# Altium PCB AMS_Remote_Module_A1.PcbDoc (part 2 of 3)
Units mm, origin at the board's own origin, x right, y up, seen from the top; angles counter-clockwise.
Board outline 140 x 118 mm, 4 copper layers (Top Layer, Layer 1, Layer 2, Bottom Layer), stack 0.603 mm thick; 282 components, 222 nets, 873 pads, 680 vias.
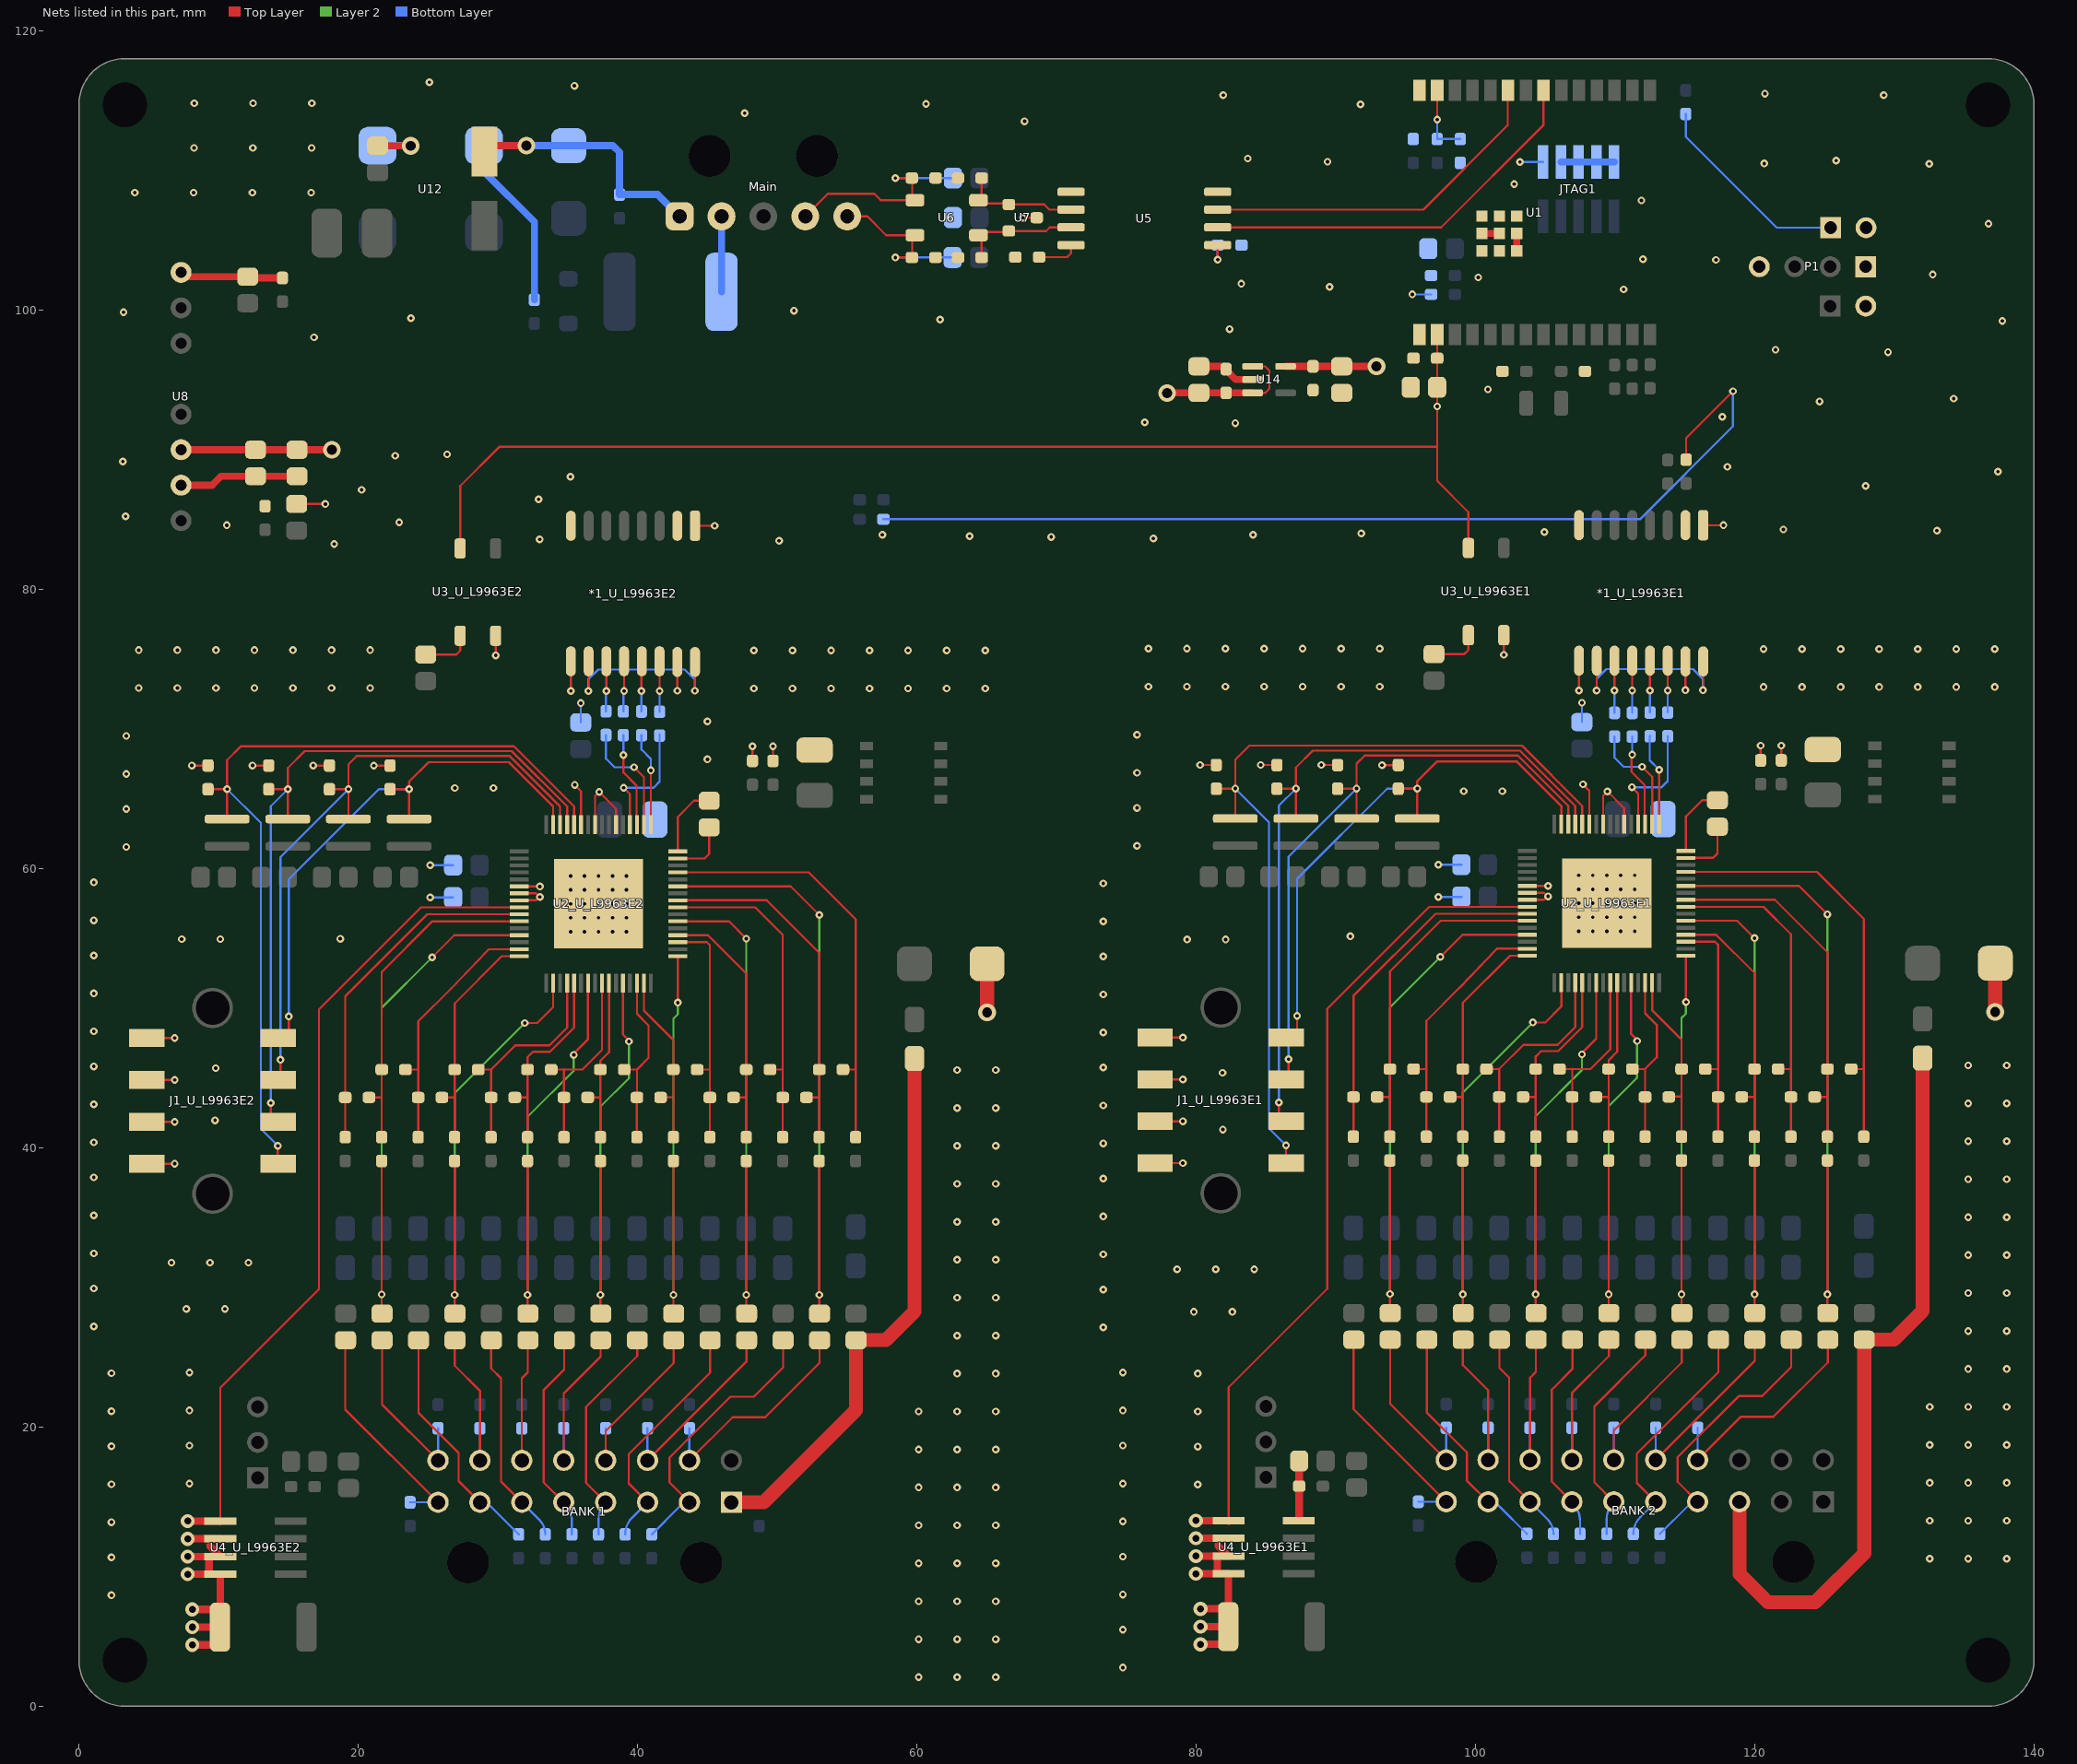
[diagram p4: the nets of this part, all layers, seen from the top]

## Part data (continued)
X1: library part "FC-135 32.7680KA-A5", Digikey Part Number=SER4103TR-ND, Load Capacitance=12.5pF, Manufacturer=EPSON, Digikey Link=https://www.digikey.com/product-detail/en/epson/FC-135-32.7680KA-A5/SER4103TR-ND/5259895, ESR=70k, Part Number="FC-135 32.7680KA-A5"

## Free pads (board coordinates)
  round 0 hole 3.2 unplated: 0(3.3,3.3) 0(3.3,114.7) 0(136.7,3.3) 0(136.7,114.7)

## Via types
v1: diameter 0.55, hole 0.25, Top Layer to Bottom Layer, tented both sides, 645 vias
v2: diameter 1, hole 0.5, Top Layer to Bottom Layer, tented both sides, 26 vias
v3: diameter 1.27, hole 0.711, Top Layer to Bottom Layer, tented both sides, 9 vias

## Nets (pads, with @x,y where several pads share a name; then routed paths per layer and width w, separated by ;. In a path a pad name is that pad's centre, name@x,y a point inside that pad or via, vN(x,y) a via of type N, cw(c..) or ccw(c..) an arc to the next point about the centre after c; other vN are vias at no path point)
0V: C51.1 C53.1 C54.1 C55.1 C56.1 C57.1 C67.1 C68.1 C69.1 U5.5 U7.3 U8.1 U12.3 | length 13.1
  Top Layer w0.152: v1(67.589,106.604) U7.3@68.589,106.604
  Top Layer w0.508: U8.1@7.315,102.692 ccw(c8.059,103.436) 8.059,102.384 C68.1@12.09,102.384 ccw(c12.301,102.596) 12.301,102.296 C69.1@14.58,102.296 ; C67.1@21.39,111.769 21.4,111.76 23.746,111.76 v3(23.756,111.75)
  Bottom Layer w0.508: U12.3@21.39,111.769 v3@23.737,111.769
  other v1: 16.84,98.044 61.671,99.314 23.774,99.416 3.2,99.847 51.206,99.949 4.013,108.407 8.221,108.407 12.429,108.407 16.637,108.407 8.247,111.608 12.454,111.608 16.662,111.608 67.716,113.513 47.676,114.097 60.655,114.757 8.272,114.808 12.48,114.808 16.688,114.808 35.484,116.053 25.095,116.307
"0V (ISO)": "Header 1x2.2" "U1. " *1_U_L9963E1.2 *1_U_L9963E1.8 *1_U_L9963E2.2 *1_U_L9963E2.8 BOOT1.2 C1.1 C2.1 C3.2 C4.1 C5.1 C6.1 C7.1 C52.1 C65.1 C66.1 C74.1 C75.1 C76.1 C77.1 JTAG1.3 JTAG1.5 JTAG1.7 JTAG1.9 P1.1 R4.1 R69.1 U1.1 U1.28 U1.30 U1.31 U1.32 U1.33 U1.34 U1.35 U1.36 U1.37 U5.4 U8.7 U14.2 | length 19.2
  Top Layer w0.508: U8.7@7.315,87.452 9.551,87.452 10.192,88.092 C65.1@12.65,88.092 C66.1@15.626,88.092 ; C74.1@80.197,95.965 81.994,95.965 82.144,95.815 C75.1@82.144,95.765 82.144,95.715 82.831,95.028 84.036,95.028 U14.2@84.049,95.015 ; U1.37@100.457,105.481 101.707,105.481 ; U1.32@102.957,104.231 U1.33@102.957,105.481
  Bottom Layer w0.508: JTAG1.3@106.121,110.605 JTAG1.5@107.391,110.605 JTAG1.7@108.661,110.605 JTAG1.9@109.931,110.605
  other v1: 18.288,83.236 50.14,83.464 32.995,83.566 76.937,83.642 69.621,83.744 63.779,83.795 57.531,83.896 84.074,83.896 91.821,83.998 104.927,84.099 133.045,84.201 122.047,84.277 10.592,84.582 22.936,84.785 3.353,85.217 32.918,86.436 20.244,87.122 127.94,87.401 35.204,88.062 137.414,88.417 118.034,88.773 3.15,89.154 22.657,89.56 26.365,89.662 82.804,91.897 76.327,91.948 117.678,92.354 124.638,93.447 134.239,93.65 100.889,94.31 129.54,96.977 121.488,97.155 82.398,98.628 137.719,99.212 110.617,101.473 89.56,101.651 83.236,101.879 100.203,102.337 132.74,102.54 117.221,103.581 111.989,103.632 136.728,106.172 111.887,107.848 102.768,109.017 132.486,110.465 120.675,110.49 89.408,110.617 125.832,110.693 83.693,110.846 91.77,114.732 81.94,115.392 129.235,115.392 120.726,115.494
"3V3 (ISO)": C1.2 C2.2 C76.2 C77.2 JTAG1.1 P1.4 R2.1 R26.2 R67.2 U1.2 U3_U_L9963E1.4 U3_U_L9963E2.4 U14.5 | length 173.7
  Top Layer w0.152: U3_U_L9963E2.4@27.305,82.92 27.305,87.401 30.099,90.195 97.257,90.195 ; C76.2@90.425,95.965 C76.2@90.429,95.961 ; U1.2@97.257,98.247 C1.2@97.257,96.545 C2.2@97.257,94.462 v1(97.257,93.089) 97.257,90.195 ; U3_U_L9963E1.4@99.492,82.958 99.492,85.522 97.257,87.757 97.257,90.195 ; R67.2@115.087,89.281 115.087,90.83 v1(118.44,94.183)
  Top Layer w0.508: U14.5@86.411,95.965 C77.2@88.367,95.965 C76.2@90.425,95.965 ; C76.2@90.429,95.961 v3(92.913,95.961)
  Bottom Layer w0.152: R26.2@57.607,85.014 111.785,85.014 118.44,91.669 v1(118.44,94.183) ; v1(95.479,101.117) R2.1@96.827,101.117 ; v1(103.186,110.605) JTAG1.1@104.851,110.605
5V: C51.2 U5.8 | length 3
  Top Layer w0.152: C51.2@68.756,103.784 70.764,103.784 71.044,104.064 U5.8@71.044,104.648
"5V (ISO)": *1_U_L9963E1.1 *1_U_L9963E2.1 C52.2 C65.2 C66.2 C74.2 C75.2 D3.A U5.1 U8.6 U14.1 U14.3 | length 27.9
  Top Layer w0.152: D3.A@15.595,86.103 v1(17.65,86.103) ; *1_U_L9963E2.1@44.12,84.545 v1(45.531,84.545) ; C74.2@80.188,94.056 C74.2@80.197,94.065 ; v1(81.544,103.607) U5.1@81.544,104.648 ; U14.3@84.049,94.065 84.946,94.065 85.242,94.361 85.242,95.656 84.934,95.965 U14.1@84.049,95.965 ; *1_U_L9963E1.1@116.307,84.583 v1(117.755,84.583)
  Top Layer w0.508: U8.6@7.315,89.992 C65.2@12.65,89.992 C66.2@15.626,89.992 v3(18.11,89.992) ; v3(77.927,94.056) C74.2@80.188,94.056 ; C74.2@80.197,94.065 C75.2@82.144,94.065 U14.3@84.049,94.065
  Bottom Layer w0.152: v1(81.544,103.607) C52.2@81.544,104.648
AGND_U_L9963E1: *1_U_L9963E1.9 *1_U_L9963E1.15 C8_U_L9963E1.1 C9_U_L9963E1.1 C11_U_L9963E1.1 C12_U_L9963E1.1 C13_U_L9963E1.1 C14_U_L9963E1.1 C15_U_L9963E1.1 C37_U_L9963E1.1 C38_U_L9963E1.1 C39_U_L9963E1.1 C40_U_L9963E1.1 D1_U_L9963E1.A J1_U_L9963E1.1 J1_U_L9963E1.2 J1_U_L9963E1.3 J1_U_L9963E1.4 R59_U_L9963E1.2 U2_U_L9963E1.6 U2_U_L9963E1.9 U2_U_L9963E1.11 U2_U_L9963E1.22 U2_U_L9963E1.23 U2_U_L9963E1.24 U2_U_L9963E1.25 U2_U_L9963E1.EPAD U3_U_L9963E1.2 U4_U_L9963E1.5 U4_U_L9963E1.6 U4_U_L9963E1.7 U4_U_L9963E1.8 | length 119
  Top Layer w0.152: J1_U_L9963E1.1@77.063,38.895 v1(79.049,38.895) ; J1_U_L9963E1.2@77.063,41.895 v1(79.049,41.895) ; J1_U_L9963E1.3@77.063,44.895 v1(79.049,44.895) ; J1_U_L9963E1.4@77.063,47.895 v1(79.049,47.895) ; v1(80.278,67.41) C37_U_L9963E1.1@81.441,67.41 ; 81.382,11.62 81.534,11.468 81.509,11.442 ; U4_U_L9963E1.5@82.321,13.03 U4_U_L9963E1.5@82.321,13.296 82.321,22.847 89.383,29.908 89.383,49.949 96.69,57.256 U2_U_L9963E1.25@103.721,57.256 ; v1(84.621,67.41) C38_U_L9963E1.1@85.784,67.41 ; v1(88.965,67.41) C39_U_L9963E1.1@90.127,67.41 ; v1(93.308,67.404) 94.465,67.404 C40_U_L9963E1.1@94.471,67.41 ; v1(102.032,75.298) U3_U_L9963E1.2@102.032,76.708 ; U2_U_L9963E1.24@103.721,57.756 104.908,57.756 105.153,58 v1@105.164,58 ; U2_U_L9963E1.23@103.721,58.256 104.908,58.256 v1@105.164,58 ; U2_U_L9963E1.22@103.721,58.756 103.73,58.746 v1(105.197,58.746) ; v1(105.196,58) v1@105.164,58 ; v1(107.417,72.746) *1_U_L9963E1.9@107.417,74.879 ; v1(107.696,66.027) 108.147,65.575 U2_U_L9963E1.11@108.147,63.182 ; U2_U_L9963E1.9@109.148,63.182 109.148,65.218 v1(109.449,65.519) 110.648,64.319 U2_U_L9963E1.6@110.648,63.182 ; v1(115.037,72.77) *1_U_L9963E1.15@115.037,74.829 ; C9_U_L9963E1.1@120.421,67.742 v1(120.421,68.795) ; C15_U_L9963E1.1@121.895,67.742 v1(121.895,68.795)
  Top Layer w0.533: v2(79.985,9.486) U4_U_L9963E1.8@81.509,9.486 ; v2(79.985,10.756) U4_U_L9963E1.7@81.509,10.756 ; v2(79.985,12.026) U4_U_L9963E1.6@82.321,12.026 ; v2(79.985,13.296) U4_U_L9963E1.5@82.321,13.296 ; v2(80.315,4.432) R59_U_L9963E1.2@82.296,4.432 ; v2(80.315,5.702) R59_U_L9963E1.2@82.296,5.702 ; v2(80.315,6.972) R59_U_L9963E1.2@82.296,6.972 ; 81.594,11.484 U4_U_L9963E1.7@82.321,10.756 U4_U_L9963E1.7@81.509,10.756 ; R59_U_L9963E1.2@82.321,6.972 U4_U_L9963E1.8@82.321,9.486 U4_U_L9963E1.8@81.509,9.486 ; U4_U_L9963E1.8@81.509,9.486 U4_U_L9963E1.7@81.509,10.756
  Top Layer w1: v3(137.215,49.725) 137.215,53.208 D1_U_L9963E1.A@137.22,53.213
  Bottom Layer w0.152: v1(97.344,57.964) C12_U_L9963E1.1@98.989,57.964 ; v1(97.344,60.275) C14_U_L9963E1.1@98.989,60.275 ; C11_U_L9963E1.1@107.621,70.482 v1(107.621,71.87)
  other v1: 74.752,2.769 74.752,5.486 74.752,8.001 132.52,10.566 135.28,10.566 138.041,10.566 74.752,10.719 74.752,13.233 132.52,13.284 135.28,13.284 138.041,13.284 80.112,15.875 74.752,15.951 132.52,16.002 135.28,16.002 138.041,16.002 80.112,18.593 74.752,18.669 132.52,18.72 135.28,18.72 138.041,18.72 80.112,21.107 74.752,21.184 132.52,21.438 135.28,21.438 138.041,21.438 80.112,23.825 74.752,23.901 135.28,24.155 138.041,24.155 135.28,26.873 138.041,26.873 73.355,27.127 79.832,28.245 82.592,28.245 135.28,29.591 138.041,29.591 73.355,29.845 78.638,31.293 81.399,31.293 84.159,31.293 135.28,32.309 138.041,32.309 73.355,32.36 135.28,35.027 138.041,35.027 73.355,35.077 135.28,37.744 138.041,37.744 73.355,37.795 73.355,40.31 135.28,40.462 138.041,40.462 81.915,41.3 73.355,43.028 135.28,43.18 138.041,43.18 81.89,45.364 73.355,45.745 135.28,45.898 138.041,45.898 73.355,48.26 73.355,50.978 73.355,53.696 79.35,54.915 82.11,54.915 91.034,55.143 107.398,55.506 108.398,55.506 109.398,55.506 110.398,55.506 111.398,55.506 73.355,56.21 107.398,56.506 108.398,56.506 109.398,56.506 110.398,56.506 111.398,56.506 107.398,57.506 108.398,57.506 109.398,57.506 110.398,57.506 111.398,57.506 107.398,58.506 108.398,58.506 109.398,58.506 110.398,58.506 111.398,58.506 73.355,58.928 107.398,59.506 108.398,59.506 109.398,59.506 110.398,59.506 111.398,59.506 75.768,61.62 75.768,64.338 99.162,65.532 101.922,65.532 75.768,66.853 75.768,69.571 120.625,73 123.385,73 126.145,73 128.905,73 131.665,73 134.425,73 137.185,73 76.581,73.025 79.341,73.025 82.101,73.025 84.861,73.025 87.622,73.025 90.382,73.025 93.142,73.025 120.625,75.717 123.385,75.717 126.145,75.717 128.905,75.717 131.665,75.717 134.425,75.717 137.185,75.717 76.581,75.743 79.341,75.743 82.101,75.743 84.861,75.743 87.622,75.743 90.382,75.743 93.142,75.743
AGND_U_L9963E2: *1_U_L9963E2.9 *1_U_L9963E2.15 C8_U_L9963E2.1 C9_U_L9963E2.1 C11_U_L9963E2.1 C12_U_L9963E2.1 C13_U_L9963E2.1 C14_U_L9963E2.1 C15_U_L9963E2.1 C37_U_L9963E2.1 C38_U_L9963E2.1 C39_U_L9963E2.1 C40_U_L9963E2.1 D1_U_L9963E2.A J1_U_L9963E2.1 J1_U_L9963E2.2 J1_U_L9963E2.3 J1_U_L9963E2.4 R59_U_L9963E2.2 U2_U_L9963E2.6 U2_U_L9963E2.9 U2_U_L9963E2.11 U2_U_L9963E2.22 U2_U_L9963E2.23 U2_U_L9963E2.24 U2_U_L9963E2.25 U2_U_L9963E2.EPAD U3_U_L9963E2.2 U4_U_L9963E2.5 U4_U_L9963E2.6 U4_U_L9963E2.7 U4_U_L9963E2.8 | length 119
  Top Layer w0.152: J1_U_L9963E2.1@4.876,38.858 v1(6.862,38.858) ; J1_U_L9963E2.2@4.876,41.858 v1(6.862,41.858) ; J1_U_L9963E2.3@4.876,44.858 v1(6.862,44.858) ; J1_U_L9963E2.4@4.876,47.858 v1(6.862,47.858) ; v1(8.091,67.372) C37_U_L9963E2.1@9.254,67.372 ; 9.195,11.582 9.347,11.43 9.322,11.405 ; U4_U_L9963E2.5@10.135,12.992 U4_U_L9963E2.5@10.135,13.259 10.135,22.809 17.196,29.87 17.196,49.911 24.503,57.218 U2_U_L9963E2.25@31.534,57.218 ; v1(12.435,67.372) C38_U_L9963E2.1@13.597,67.372 ; v1(16.778,67.372) C39_U_L9963E2.1@17.941,67.372 ; v1(21.121,67.366) 22.278,67.366 C40_U_L9963E2.1@22.284,67.372 ; v1(29.845,75.26) U3_U_L9963E2.2@29.845,76.67 ; U2_U_L9963E2.24@31.534,57.718 32.722,57.718 32.966,57.963 v1@32.977,57.963 ; U2_U_L9963E2.23@31.534,58.218 32.722,58.218 v1@32.977,57.963 ; U2_U_L9963E2.22@31.534,58.718 31.544,58.709 v1(33.011,58.709) ; v1(33.01,57.963) v1@32.977,57.963 ; v1(35.23,72.708) *1_U_L9963E2.9@35.23,74.842 ; v1(35.509,65.989) 35.961,65.538 U2_U_L9963E2.11@35.961,63.145 ; U2_U_L9963E2.9@36.961,63.145 36.961,65.18 v1(37.262,65.481) 38.461,64.282 U2_U_L9963E2.6@38.461,63.145 ; v1(42.85,72.733) *1_U_L9963E2.15@42.85,74.791 ; C9_U_L9963E2.1@48.235,67.704 v1(48.235,68.758) ; C15_U_L9963E2.1@49.708,67.704 v1(49.708,68.758)
  Top Layer w0.533: v2(7.798,9.449) U4_U_L9963E2.8@9.322,9.449 ; v2(7.798,10.719) U4_U_L9963E2.7@9.322,10.719 ; v2(7.798,11.989) U4_U_L9963E2.6@10.135,11.989 ; v2(7.798,13.259) U4_U_L9963E2.5@10.135,13.259 ; v2(8.128,4.394) R59_U_L9963E2.2@10.109,4.394 ; v2(8.128,5.664) R59_U_L9963E2.2@10.109,5.664 ; v2(8.128,6.934) R59_U_L9963E2.2@10.109,6.934 ; 9.407,11.446 U4_U_L9963E2.7@10.135,10.719 U4_U_L9963E2.7@9.322,10.719 ; R59_U_L9963E2.2@10.135,6.934 U4_U_L9963E2.8@10.135,9.449 U4_U_L9963E2.8@9.322,9.449 ; U4_U_L9963E2.8@9.322,9.449 U4_U_L9963E2.7@9.322,10.719
  Top Layer w1: v3(65.029,49.687) 65.029,53.171 D1_U_L9963E2.A@65.033,53.175
  Bottom Layer w0.152: v1(25.157,57.926) C12_U_L9963E2.1@26.803,57.926 ; v1(25.157,60.237) C14_U_L9963E2.1@26.803,60.237 ; C11_U_L9963E2.1@35.942,70.456 v1(35.942,71.844)
  other v1: 60.13,2.083 62.89,2.083 65.651,2.083 60.13,4.801 62.89,4.801 65.651,4.801 60.13,7.518 62.89,7.518 65.651,7.518 2.337,7.95 60.13,10.236 62.89,10.236 65.651,10.236 2.337,10.668 60.13,12.954 62.89,12.954 65.651,12.954 2.337,13.183 60.13,15.672 62.89,15.672 65.651,15.672 2.337,15.9 7.925,15.951 60.13,18.39 62.89,18.39 65.651,18.39 2.337,18.618 7.925,18.669 60.13,21.107 62.89,21.107 65.651,21.107 2.337,21.133 7.925,21.184 62.89,23.825 65.651,23.825 2.337,23.851 7.925,23.901 62.89,26.543 65.651,26.543 1.067,27.203 7.696,28.448 10.456,28.448 62.89,29.261 65.651,29.261 1.067,29.921 6.629,31.775 9.39,31.775 12.15,31.775 62.89,31.979 65.651,31.979 1.067,32.436 62.89,34.696 65.651,34.696 1.067,35.154 62.89,37.414 65.651,37.414 1.067,37.871 62.89,40.132 65.651,40.132 1.067,40.386 9.754,41.961 62.89,42.85 65.651,42.85 1.067,43.104 62.89,45.568 65.651,45.568 9.804,45.695 1.067,45.822 1.067,48.336 1.067,51.054 1.067,53.772 7.366,54.94 10.126,54.94 18.72,54.966 35.211,55.468 36.211,55.468 37.211,55.468 38.211,55.468 39.211,55.468 1.067,56.286 35.211,56.468 36.211,56.468 37.211,56.468 38.211,56.468 39.211,56.468 35.211,57.468 36.211,57.468 37.211,57.468 38.211,57.468 39.211,57.468 35.211,58.468 36.211,58.468 37.211,58.468 38.211,58.468 39.211,58.468 1.067,59.004 35.211,59.468 36.211,59.468 37.211,59.468 38.211,59.468 39.211,59.468 3.404,61.544 3.404,64.262 26.924,65.761 29.684,65.761 3.404,66.777 45.009,67.818 3.404,69.494 45.009,70.536 48.336,72.898 51.096,72.898 53.856,72.898 56.617,72.898 59.377,72.898 62.137,72.898 64.897,72.898 4.293,72.923 7.053,72.923 9.813,72.923 12.573,72.923 15.333,72.923 18.093,72.923 20.853,72.923 48.336,75.616 51.096,75.616 53.856,75.616 56.617,75.616 59.377,75.616 62.137,75.616 64.897,75.616 4.293,75.641 7.053,75.641 9.813,75.641 12.573,75.641 15.333,75.641 18.093,75.641 20.853,75.641
aIN_TEMP_1_U_L9963E1: C37_U_L9963E1.2 J1_U_L9963E1.5 R43_U_L9963E1.1 U2_U_L9963E1.12 | length 62.3
  Top Layer w0.152: C37_U_L9963E1.2@81.441,65.71 v1@82.804,65.71 ; R43_U_L9963E1.1@82.804,63.576 v1@82.804,65.71 ; v1(86.436,40.17) 86.436,38.922 J1_U_L9963E1.5@86.463,38.895 ; U2_U_L9963E1.12@107.647,63.182 107.647,64.484 103.332,68.799 83.81,68.799 82.804,67.793 v1(82.804,65.722) v1@82.804,65.71
  Bottom Layer w0.152: v1(82.804,65.722) 85.217,63.309 85.217,41.389 v1(86.436,40.17)
aIN_TEMP_1_U_L9963E2: C37_U_L9963E2.2 J1_U_L9963E2.5 R43_U_L9963E2.1 U2_U_L9963E2.12 | length 62.3
  Top Layer w0.152: C37_U_L9963E2.2@9.254,65.672 v1@10.617,65.672 ; R43_U_L9963E2.1@10.617,63.539 v1@10.617,65.672 ; v1(14.249,40.132) 14.249,38.884 J1_U_L9963E2.5@14.276,38.858 ; U2_U_L9963E2.12@35.461,63.145 35.461,64.446 31.146,68.761 11.623,68.761 10.617,67.755 v1(10.617,65.684) v1@10.617,65.672
  Bottom Layer w0.152: v1(10.617,65.684) 13.03,63.271 13.03,41.351 v1(14.249,40.132)
aIN_TEMP_2_U_L9963E1: C38_U_L9963E1.2 J1_U_L9963E1.6 R44_U_L9963E1.1 U2_U_L9963E1.13 | length 53
  Top Layer w0.152: C38_U_L9963E1.2@85.784,65.71 v1@87.147,65.71 ; v1(85.928,43.243) 85.928,42.43 J1_U_L9963E1.6@86.463,41.895 ; R44_U_L9963E1.1@87.147,63.576 v1@87.147,65.71 ; U2_U_L9963E1.13@107.147,63.182 107.147,64.481 103.185,68.443 88.357,68.443 87.147,67.234 v1(87.147,65.722) v1@87.147,65.71
  Bottom Layer w0.152: v1(85.928,43.243) 85.928,64.503 v1(87.147,65.722)
aIN_TEMP_2_U_L9963E2: C38_U_L9963E2.2 J1_U_L9963E2.6 R44_U_L9963E2.1 U2_U_L9963E2.13 | length 53
  Top Layer w0.152: C38_U_L9963E2.2@13.597,65.672 v1@14.961,65.672 ; v1(13.741,43.205) 13.741,42.392 J1_U_L9963E2.6@14.276,41.858 ; R44_U_L9963E2.1@14.961,63.539 v1@14.961,65.672 ; U2_U_L9963E2.13@34.96,63.145 34.96,64.444 30.998,68.406 16.17,68.406 14.961,67.196 v1(14.961,65.684) v1@14.961,65.672
  Bottom Layer w0.152: v1(13.741,43.205) 13.741,64.465 v1(14.961,65.684)
aIN_TEMP_3_U_L9963E1: C39_U_L9963E1.2 J1_U_L9963E1.7 R45_U_L9963E1.1 U2_U_L9963E1.14 | length 46.4
  Top Layer w0.152: J1_U_L9963E1.7@86.463,44.895 86.619,45.051 v1(86.619,46.337) ; C39_U_L9963E1.2@90.127,65.71 v1@91.491,65.71 ; R45_U_L9963E1.1@91.491,63.576 v1@91.491,65.71 ; U2_U_L9963E1.14@106.647,63.182 106.647,64.479 103.038,68.088 92.072,68.088 91.491,67.507 v1(91.491,65.722) v1@91.491,65.71
  Bottom Layer w0.152: v1(86.619,46.337) 86.619,60.85 v1(91.491,65.722)
aIN_TEMP_3_U_L9963E2: C39_U_L9963E2.2 J1_U_L9963E2.7 R45_U_L9963E2.1 U2_U_L9963E2.14 | length 46.4
  Top Layer w0.152: J1_U_L9963E2.7@14.276,44.858 14.432,45.014 v1(14.432,46.3) ; C39_U_L9963E2.2@17.941,65.672 v1@19.304,65.672 ; R45_U_L9963E2.1@19.304,63.539 v1@19.304,65.672 ; U2_U_L9963E2.14@34.46,63.145 34.46,64.442 30.851,68.051 19.885,68.051 19.304,67.469 v1(19.304,65.684) v1@19.304,65.672
  Bottom Layer w0.152: v1(14.432,46.3) 14.432,60.812 v1(19.304,65.684)
aIN_TEMP_4_U_L9963E1: C40_U_L9963E1.2 J1_U_L9963E1.8 R46_U_L9963E1.1 U2_U_L9963E1.15 | length 40.6
  Top Layer w0.152: J1_U_L9963E1.8@86.463,47.895 86.665,47.895 87.224,48.454 v1(87.224,49.441) ; C40_U_L9963E1.2@94.471,65.71 v1@95.834,65.71 ; R46_U_L9963E1.1@95.834,63.576 v1@95.834,65.71 ; U2_U_L9963E1.15@106.147,63.182 106.147,64.477 102.97,67.654 97.232,67.654 95.834,66.255 v1(95.834,65.722) v1@95.834,65.71
  Bottom Layer w0.152: v1(87.224,49.441) 87.224,59.27 93.675,65.722 v1(95.834,65.722)
aIN_TEMP_4_U_L9963E2: C40_U_L9963E2.2 J1_U_L9963E2.8 R46_U_L9963E2.1 U2_U_L9963E2.15 | length 40.6
  Top Layer w0.152: J1_U_L9963E2.8@14.276,47.858 14.478,47.858 15.037,48.417 v1(15.037,49.403) ; C40_U_L9963E2.2@22.284,65.672 v1@23.647,65.672 ; R46_U_L9963E2.1@23.647,63.539 v1@23.647,65.672 ; U2_U_L9963E2.15@33.96,63.145 33.96,64.439 30.784,67.616 25.046,67.616 23.647,66.218 v1(23.647,65.684) v1@23.647,65.672
  Bottom Layer w0.152: v1(15.037,49.403) 15.037,59.233 21.488,65.684 v1(23.647,65.684)
B2_1_U_L9963E1: R60_U_L9963E1.2 R61_U_L9963E1.1 U2_U_L9963E1.29 | length 43.5
  Top Layer w0.152: v1(93.873,29.529) 93.873,28.157 R60_U_L9963E1.2@93.876,28.154 ; v1(93.873,29.529) R61_U_L9963E1.1@93.873,39.091 ; v1(97.485,53.67) 99.07,55.255 U2_U_L9963E1.29@103.721,55.255
  Layer 2 w0.152: v1(93.873,29.529) 93.873,50.058 v1(97.485,53.67)
B2_1_U_L9963E2: R60_U_L9963E2.2 R61_U_L9963E2.1 U2_U_L9963E2.29 | length 43.5
  Top Layer w0.152: v1(21.686,29.492) 21.686,28.119 R60_U_L9963E2.2@21.689,28.116 ; v1(21.686,29.492) R61_U_L9963E2.1@21.686,39.053 ; v1(25.298,53.633) 26.883,55.217 U2_U_L9963E2.29@31.534,55.217
  Layer 2 w0.152: v1(21.686,29.492) 21.686,50.021 v1(25.298,53.633)
B4_3_U_L9963E1: R51_U_L9963E1.2 R52_U_L9963E1.1 U2_U_L9963E1.34 | length 36.7
  Top Layer w0.152: v1(99.093,29.502) 99.093,28.161 R51_U_L9963E1.2@99.101,28.154 ; v1(99.093,29.502) R52_U_L9963E1.1@99.094,39.091 ; v1(104.115,48.971) 105.004,48.971 106.147,50.115 U2_U_L9963E1.34@106.147,51.829
  Layer 2 w0.152: v1(99.093,29.502) 99.093,43.95 v1(104.115,48.971)
B4_3_U_L9963E2: R51_U_L9963E2.2 R52_U_L9963E2.1 U2_U_L9963E2.34 | length 36.7
  Top Layer w0.152: v1(26.907,29.464) 26.907,28.123 R51_U_L9963E2.2@26.914,28.116 ; v1(26.907,29.464) R52_U_L9963E2.1@26.907,39.053 ; v1(31.928,48.934) 32.817,48.934 33.96,50.077 U2_U_L9963E2.34@33.96,51.791
  Layer 2 w0.152: v1(26.907,29.464) 26.907,43.912 v1(31.928,48.934)
B6_5_U_L9963E1: R35_U_L9963E1.2 R36_U_L9963E1.1 U2_U_L9963E1.39 | length 35.1
  Top Layer w0.152: R36_U_L9963E1.1@104.315,39.091 v1(104.314,29.502) 104.314,28.165 R35_U_L9963E1.2@104.326,28.154 ; v1(107.625,46.685) 107.625,46.792 108.648,47.815 U2_U_L9963E1.39@108.648,51.829
  Layer 2 w0.152: v1(104.314,29.502) 104.314,42.249 107.625,45.56 v1(107.625,46.685)
B6_5_U_L9963E2: R35_U_L9963E2.2 R36_U_L9963E2.1 U2_U_L9963E2.39 | length 35.1
  Top Layer w0.152: R36_U_L9963E2.1@32.128,39.053 v1(32.127,29.464) 32.127,28.128 R35_U_L9963E2.2@32.139,28.116 ; v1(35.438,46.648) 35.438,46.755 36.461,47.777 U2_U_L9963E2.39@36.461,51.791
  Layer 2 w0.152: v1(32.127,29.464) 32.127,42.211 35.438,45.522 v1(35.438,46.648)
B8_7_U_L9963E1: R28_U_L9963E1.2 R29_U_L9963E1.1 U2_U_L9963E1.44 | length 34.3
  Top Layer w0.152: R29_U_L9963E1.1@109.536,39.091 v1(109.535,29.502) 109.535,28.17 R28_U_L9963E1.2@109.551,28.154 ; U2_U_L9963E1.44@111.148,51.829 111.148,48.14 111.578,47.711 v1(111.578,47.65)
  Layer 2 w0.152: v1(109.535,29.502) 109.535,42.974 111.578,45.016 v1(111.578,47.65)